# KiCad board A64-OlinuXino_Rev_D.kicad_pcb (continued)
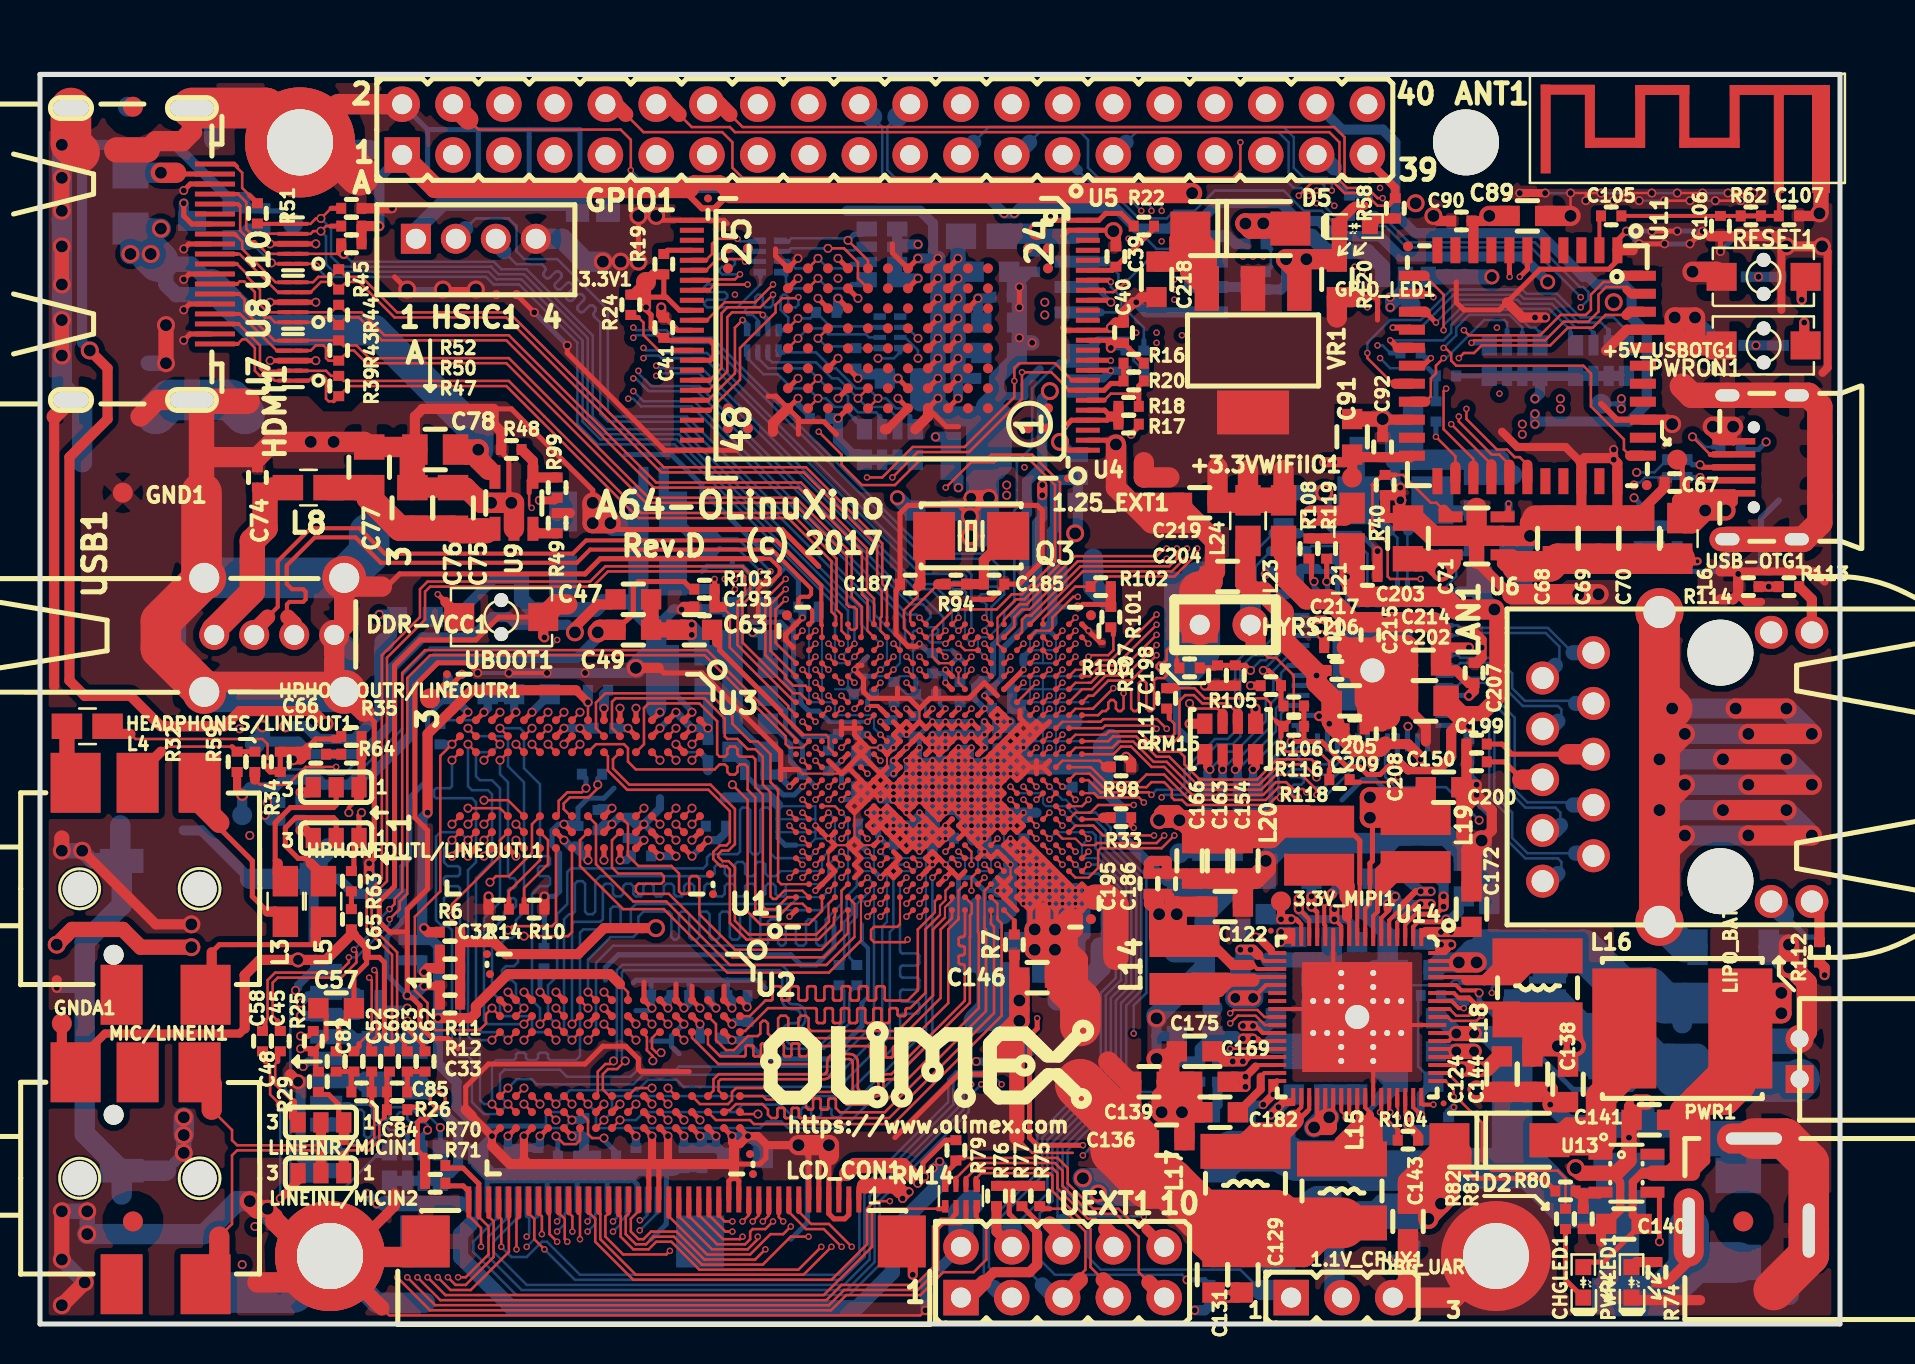
[diagram p0: board, top side]
## Routing (per net, layer and track width the routed paths; a pad name or vN(x,y) marks a point on that pad's centre or on a via; arc(x,y) is an arc through that point) (continued)
/USB&HDMI,WiFi&BT,Ethernet,LCD/BT-PCM-DIN: length 31.3
  Top w0.127: v5(70.94,45.39) 70.94,45.14 72.59,43.48 72.96,43.48 73.47,42.98 ; v5(55.83,34.98) 53.8,32.94 53.03,32.94 52.49,32.4 U1.AC19
  Top w0.508: 73.47,42.86 73.47,42.98 U11.27
  In3.Cu w0.127: v5(55.83,34.98) 56.21,35.36 56.21,35.86 56.97,36.63 58.88,36.63 60.02,37.77 60.02,39.29 60.02,40.18 66.12,46.28 69.04,46.28 69.93,45.39 v5(70.94,45.39)
/USB&HDMI,WiFi&BT,Ethernet,LCD/BT-PCM-DOUT: length 35.2
  Top w0.127: 71.67,42.93 71.67,43.26 70.18,44.76 70.18,46.66 v5(70.31,46.79) ; v5(56.34,38.28) 56.21,38.15 51.89,38.15 49.48,35.74 49.1,35.74 48.72,35.36 48.72,34.87 U1.U22
  Top w0.508: U11.25 71.67,42.93
  In3.Cu w0.127: v5(56.34,38.28) 56.97,37.64 58.37,37.64 59,38.28 59,40.69 65.61,47.3 69.8,47.3 v5(70.31,46.79)
/USB&HDMI,WiFi&BT,Ethernet,LCD/BT-PCM-SYNC: length 33
  Top w0.107: 51.78,32.72 52.43,32.72
  Top w0.127: 52.43,32.72 52.91,33.21 53.55,33.21 v5(55.83,35.48) ; 51.78,32.72 U1.AB19 ; 74.37,42.98 73.99,43.36 73.74,43.36 73.35,43.74 72.85,43.74 71.32,45.26 v5(71.32,45.77)
  Top w0.508: U11.28 74.37,42.98
  In3.Cu w0.127: v5(55.83,35.48) 55.83,35.86 56.84,36.88 58.75,36.88 59.77,37.9 59.77,39.89 59.77,40.35 65.95,46.53 69.16,46.53 69.93,45.77 v5(71.32,45.77)
/USB&HDMI,WiFi&BT,Ethernet,LCD/BT-RST-N: length 65.2
  Top w0.127: 79.51,43.43 79.2,43.74 79.2,44.25 77.55,45.9 77.55,47.55 77.16,47.93 70.81,47.93 70.56,48.18 70.56,48.53 70.28,48.81 v5(70.18,48.82) ; U1.A20 36.78,34.07 36.78,35.74 v5(37.29,36.25)
  Top w0.508: U11.34 79.51,43.43
  In2.Cu w0.127: 49.61,46.8 49.61,46.8 ; 49.61,46.8 50.23,47.42 50.88,47.42 51.51,46.79 54.56,46.79 55.45,47.68 68.15,47.68 69.29,48.82 v5(70.18,48.82) ; 49.61,46.8 42.6,46.8 42.4,46.6 42.4,46.1 39.2,42.9 39.2,38.16 v5(37.29,36.25)
  Bottom w0.127: v5(70.18,48.82) 70.81,49.45 70.81,49.84 71.45,50.47 73.48,50.47 74.12,49.84 74.12,49.58
  Bottom w0.254: RM12.2.2 74.12,49.58
/USB&HDMI,WiFi&BT,Ethernet,LCD/BT-UART-CTS: length 43.8
  Top w0.127: v5(55.83,33.45) 54.56,32.18 53.42,32.18 52.66,31.42 52.43,31.42 U1.AC17 ; 79.2,52.43 78.89,52.12 78.18,52.12 77.55,51.49 77.55,50.72 77.29,50.47 76.02,50.47 75.01,49.45 71.45,49.45 v5(71.2,49.71)
  Top w0.508: U11.44 79.2,52.43 79.27,52.43
  In3.Cu w0.127: v5(55.83,33.45) 55.19,34.09 55.19,36.12 56.46,37.39 58.5,37.39 59.26,38.15 59.26,39.67 59.26,40.56 65.74,47.04 69.42,47.04 70.05,46.41 70.69,46.41 71.32,47.04 71.32,48.56 71.2,48.69 v5(71.2,49.71)
/USB&HDMI,WiFi&BT,Ethernet,LCD/BT-UART-RX: length 43.8
  Top w0.127: 79.32,51.74 79.2,51.87 78.31,51.87 77.93,51.49 77.93,50.64 77.42,50.13 76.19,50.13 75.26,49.2 71.7,49.2 v5(71.58,49.07) ; U1.AB17 52.1,31.75 52.6,31.75 53.29,32.44 54.31,32.44 v5(55.83,33.96)
  Top w0.406: 79.32,51.74 79.53,51.53 U11.43
  In3.Cu w0.127: v5(55.83,33.96) 55.45,34.34 55.45,35.99 56.59,37.13 58.62,37.13 59.51,38.02 59.51,39.78 59.51,40.46 65.84,46.79 69.29,46.79 69.93,46.15 70.81,46.15 71.58,46.91 v5(71.58,49.07)
  Bottom w0.254: v5(71.58,49.07) 72.34,49.07 RM12.4.2
/USB&HDMI,WiFi&BT,Ethernet,LCD/BT-UART-TX: length 40.7
  Top w0.127: U1.U23 48.2,35.22 48.97,35.99 49.33,35.99 51.74,38.41 55.83,38.41 56.21,38.79 v5(56.34,38.79) ; v5(70.94,48.31) 71.2,48.56 71.7,48.56 72.09,48.95 75.51,48.95 76.4,49.84 77.64,49.84 78.28,50.47 79.32,50.47
  Top w0.508: 79.32,50.47 79.48,50.63 U11.42
  In3.Cu w0.127: v5(56.34,38.79) 57.23,37.9 58.24,37.9 ; 58.24,37.9 58.75,38.41 58.75,40.82 65.48,47.55 70.18,47.55 v5(70.94,48.31) ; 58.24,37.9 58.24,37.9
/USB&HDMI,WiFi&BT,Ethernet,LCD/BT-WAKE-AP: length 76
  Top w0.127: U1.D19 v5(40.07,32.08) ; 73.48,52.43 v5(73.48,52.38)
  Top w0.254: U11.7 73.47,52.74 v5(73.48,52.38)
  In2.Cu w0.127: v5(56.72,51.74) 57.1,51.36 65.61,51.36 65.74,51.49 66.12,51.49 66.75,52.12 66.75,52.88 66.88,53.01 72.85,53.01 v5(73.48,52.38)
  In3.Cu w0.107: 40.4,32.4 40.93,32.4 41.05,32.53 41.05,34.34
  In3.Cu w0.127: v5(40.07,32.08) 40.4,32.4 ; 41.05,34.34 40.72,34.67 40.72,39.55 40.34,39.93 40.34,41.07 39.32,42.09 37.03,42.09 34.87,44.25 34.87,49.2 34.11,49.96 34.11,55.17 34.49,55.55 45.03,55.55 45.54,56.06 47.57,56.06 47.83,56.31 56.46,56.31 56.72,56.06 56.72,53.77 56.34,53.39 56.34,52.67 56.34,52.67 56.34,52.12 v5(56.72,51.74)
/USB&HDMI,WiFi&BT,Ethernet,LCD/EPHY-RST#: length 8.7
  Top w0.127: 56.46,30.28 56.72,30.02 56.72,29.52 56.59,29.39 55.96,29.39 v5(55.83,29.26) ; U1.Y14 v5(50.47,29.47)
  Top w0.254: 56.46,30.28 56.46,30.66 56.34,30.78
  In2.Cu w0.127: v5(55.83,29.26) 55.7,29.26 55.07,29.9 50.9,29.9 v5(50.47,29.47)
/USB&HDMI,WiFi&BT,Ethernet,LCD/GCLKIN/LCD_VSYNC: length 65.3
  Top w0.127: 26.44,5.56 26.62,5.39 v5(26.62,4.62) ; v5(55.57,26.47) 55.45,26.59 53.03,26.59 52.43,27.2 U1.AC11
  Top w0.254: LCD_CON1.30 26.44,5.56
  In3.Cu w0.127: v5(55.57,26.47) 55.57,25.83 55.32,25.58 55.32,24.31 54.94,23.93 54.94,18.21 47.19,10.47 43.64,10.47 39.95,6.78 34.49,6.78 33.35,5.64 27.25,5.64 26.62,5 v5(26.62,4.62)
  Bottom w0.127: 61.54,38.66 60.78,37.9 60.78,36.63 61.67,35.74 61.67,34.34 61.04,33.71 60.4,33.71 59.77,33.07 59.77,29.64 59.38,29.26 58.75,29.26 57.23,27.74 57.23,26.97 56.97,26.72 55.83,26.72 v5(55.57,26.47)
  Bottom w0.508: 61.54,38.66 R109.1
/USB&HDMI,WiFi&BT,Ethernet,LCD/GMDC/LCD-PWM: length 81
  Top w0.127: 23.44,5.39 23.44,5.39 23.44,3.61 21.54,1.7 20.52,1.7 v5(19.89,2.34) ; U1.Y13 v5(50.47,28.83)
  Top w0.254: 23.44,5.39 LCD_CON1.36
  In2.Cu w0.127: v5(19.89,2.34) 20.27,1.96 29.29,1.96 33.6,6.27 40.97,6.27 44.27,9.58 49.22,9.58 51,11.35 51.64,11.35 53.54,13.26 53.54,15.55 54.81,16.81 54.81,23.93 55.32,24.44 55.32,25.58 v5(56.08,26.34) 56.08,26.59 55.83,26.85 53.92,26.85 53.16,27.61 52.27,27.61 51.89,27.99 50.88,27.99 50.47,28.39 v5(50.47,28.83)
  Bottom w0.127: v5(56.08,26.34) 56.21,26.47 57.23,26.47 57.48,26.72 57.48,27.61 58.88,29.01 59.64,29.01 60.02,29.39 60.02,32.82 60.66,33.45 61.16,33.45 61.93,34.21 61.93,34.98 62.39,35.44
  Bottom w0.254: 62.39,35.44 U15.36
/USB&HDMI,WiFi&BT,Ethernet,LCD/GMDIO/LCD_PWR: length 71
  Top w0.107: U1.AC10 52.7,26.55
  Top w0.127: 23.94,5.37 23.83,5.26 v5(23.83,3.73) ; v5(55.19,26.09) 54.94,26.34 52.91,26.34 52.7,26.55
  Top w0.254: R108.1 63.58,38.15 63.58,37.26 v3(63.7,37.13) ; LCD_CON1.35 23.94,5.37
  In3.Cu w0.127: v5(23.83,3.73) 23.83,4.5 25.22,5.89 33.22,5.89 34.37,7.04 39.83,7.04 43.51,10.72 44.27,10.72 45.92,12.37 48.74,12.37 54.69,18.32 54.69,24.18 55.07,24.56 55.07,25.7 55.19,25.83 v5(55.19,26.09) 55.19,26.72 55.32,26.85 57.35,26.85 57.73,27.23 61.04,27.23 61.8,27.99 61.8,29.64 62.64,30.48 62.64,33.07 62.81,33.25 62.81,34.25 62.81,34.98 63.7,35.86 v3(63.7,37.13)
  Bottom w0.254: v3(63.7,37.13) 63.7,36.88 63.87,36.71 U15.37
/USB&HDMI,WiFi&BT,Ethernet,LCD/GRXCK/LCD_D18: length 69.9
  Top w0.127: v5(40.59,3.86) 39.45,5 38.56,5 37.94,5.62 ; U1.AC16 52.91,30.45 53.12,30.66 53.29,30.66 53.42,30.78 53.42,31.08 53.54,31.21 53.67,31.21 53.8,31.08 53.8,30.78 53.92,30.66 54.05,30.66 54.18,30.78 v5(54.18,31.55) 54.18,31.67 54.31,31.8 54.43,31.8 54.56,31.67 54.56,30.78 54.69,30.66 54.81,30.66 54.94,30.78 54.94,32.06 55.07,32.18 55.19,32.18 55.32,32.06 55.32,30.78 55.45,30.66 55.57,30.66 55.7,30.78 55.7,32.18 55.83,32.31 56.21,32.31 56.34,32.44 56.34,32.56 56.21,32.69 55.96,32.69 55.83,32.82 55.83,32.94 55.96,33.07 56.21,33.07 56.34,33.2 56.34,33.71 56.46,33.83 56.72,33.83 56.84,33.71 56.84,33.2
  Top w0.254: R100.1 56.84,32.94 56.84,33.2 ; LCD_CON1.7 37.94,5.62
  In2.Cu w0.127: v5(54.18,31.55) 56.21,31.55 56.84,32.18 57.73,32.18 57.99,32.44 58.5,32.44 58.75,32.18 58.75,31.42 58.88,31.29 60.91,31.29 61.34,30.86 61.34,27.41 59.89,25.96 59.89,23.55 59.26,22.91 59.26,19.36 59,19.1 59,17.96 58.12,17.07 58.12,9.96 55.96,7.8 55.57,7.8 53.54,5.77 45.16,5.77 43.26,3.86 v5(40.59,3.86)
/USB&HDMI,WiFi&BT,Ethernet,LCD/GRXCTL/LCD_D19: length 63.4
  Top w0.107: 51.78,30.78 52.43,30.78
  Top w0.127: v5(40.08,3.86) 39.19,4.75 38.3,4.75 37.44,5.61 ; v5(53.67,31.8) 52.65,30.78 52.65,30.78 52.43,30.78 ; U1.AB16 51.78,30.78
  Top w0.254: LCD_CON1.8 37.44,5.61
  Top w0.406: v3(60.53,31.93) R105.1
  In2.Cu w0.127: v5(53.67,31.8) 53.8,31.93 56.21,31.93 56.72,32.44 57.23,32.44 57.35,32.56 57.35,32.82 57.48,32.94 59.13,32.94 59.26,32.82 59.26,31.8 59.38,31.67 59.51,31.67 59.64,31.8 59.64,32.82 59.77,32.94 59.89,32.94 60.02,32.82 60.02,31.8 60.15,31.67 60.27,31.67 v3(60.53,31.93) 60.85,31.93 61.59,31.18 61.59,27.28 60.15,25.83 60.15,23.42 59.51,22.78 59.51,19.23 59.26,18.97 59.26,17.83 58.37,16.94 58.37,9.83 56.08,7.54 55.7,7.54 53.67,5.51 45.29,5.51 43.26,3.48 40.46,3.48 v5(40.08,3.86)
/USB&HDMI,WiFi&BT,Ethernet,LCD/GRXD0/LCD_D15: length 58.1
  Top w0.127: 31.44,5.39 33.35,3.48 35.51,3.48 36.53,4.5 37.16,4.5 v5(37.54,4.88) ; U1.Y16 v5(50.47,30.78)
  Top w0.254: 31.44,5.39 LCD_CON1.20
  Top w0.508: RM15.1.2 v3(57.48,30.02)
  In2.Cu w0.127: v5(50.47,30.78) 51.1,30.15 57.35,30.15 v3(57.48,30.02) 57.48,27.23 58.62,26.09 58.62,24.18 57.99,23.55 57.99,19.99 57.73,19.74 57.73,18.59 56.84,17.7 56.84,12.37 56.59,12.12 54.31,12.12 52.27,10.08 51.64,10.08 49.86,8.31 45.8,8.31 42.75,5.26 37.92,5.26 v5(37.54,4.88)
/USB&HDMI,WiFi&BT,Ethernet,LCD/GRXD1/LCD_D14: length 62.2
  Top w0.127: 59.13,30.53 58.88,30.78 57.73,30.78 v3(57.48,31.04) ; U1.W16 v5(49.82,30.78) ; 31.94,5.4 33.6,3.73 35.38,3.73 35.89,4.24 v5(35.89,4.37)
  Top w0.254: 31.94,5.4 LCD_CON1.19
  Top w0.508: RM15.2.2 59.13,30.53
  In2.Cu w0.107: 50.15,31.1 51.45,31.1
  In2.Cu w0.127: v5(49.82,30.78) 50.15,31.1 ; 51.45,31.1 51.89,30.66 56.46,30.66 56.84,31.04 v3(57.48,31.04) 58.24,30.28 58.24,29.64 57.99,29.39 57.99,27.48 59.13,26.34 59.13,23.93 58.5,23.29 58.5,19.74 58.24,19.48 58.24,18.34 57.35,17.45 57.35,11.99 56.97,11.61 54.56,11.61 52.53,9.58 51.89,9.58 50.11,7.8 46.05,7.8 43,4.75 38.3,4.75 37.76,4.21 36.91,4.21 36.74,4.37 v5(35.89,4.37)
/USB&HDMI,WiFi&BT,Ethernet,LCD/GRXD2/LCD_D13: length 58.1
  Top w0.127: 32.44,5.41 33.86,3.99 35.25,3.99 35.51,4.24 35.51,4.62 35.64,4.75 36.27,4.75 v5(36.65,5.13) ; U1.AA13 v5(51.12,28.83) ; 59.89,30.53 59.38,31.04 58.12,31.04 57.7,31.45 57.26,31.45 56.97,31.17 56.97,29.39 56.59,29.01 v5(56.34,29.01)
  Top w0.254: LCD_CON1.18 32.44,5.41
  Top w0.508: RM15.3.2 59.89,30.53
  In2.Cu w0.127: v5(51.12,28.83) 51.94,29.64 54.94,29.64 55.7,28.88 56.21,28.88 v5(56.34,29.01) 56.72,28.63 56.72,26.85 57.86,25.7 57.86,24.56 55.32,22.02 55.32,16.56 54.05,15.29 54.05,13 51.89,10.85 51.26,10.85 49.48,9.07 44.53,9.07 41.22,5.77 37.29,5.77 v5(36.65,5.13)
/USB&HDMI,WiFi&BT,Ethernet,LCD/GRXD3/LCD_D12: length 65.5
  Top w0.127: U1.V17 v5(49.82,32.08) ; 32.94,5.45 34.15,4.24 35,4.24 v5(35.13,4.37)
  Top w0.254: LCD_CON1.17 32.94,5.45
  Top w0.508: RM15.4.2 v3(60.78,30.78)
  In2.Cu w0.107: 50.15,31.75 51.78,31.75
  In2.Cu w0.127: v5(49.82,32.08) 50.15,31.75 ; v5(35.13,4.37) 35.51,3.99 36.02,3.99 36.14,4.11 36.53,4.11 36.78,3.86 38.43,3.86 38.81,4.24 43.26,4.24 46.3,7.29 50.37,7.29 51.13,8.05 55.83,8.05 57.86,10.08 57.86,17.2 58.75,18.08 58.75,19.23 59,19.48 59,23.04 59.64,23.67 59.64,26.09 61.09,27.53 61.09,30.48 v3(60.78,30.78) 58.75,30.78 57.73,31.8 56.85,31.8 56.21,31.17 52.35,31.17 51.76,31.75
/USB&HDMI,WiFi&BT,Ethernet,LCD/GTXCK/LCD_DE: length 69.6
  Top w0.127: 25.44,5.55 25.48,5.51 25.48,4.5 v5(25.86,4.11) ; U1.AB12 52.54,27.85 53.29,27.1 54.94,27.1 55.32,27.48 56.21,27.48 57.48,26.21 61.29,26.21 61.93,26.85 62.18,26.85 62.69,26.34 v5(62.94,26.34)
  Top w0.254: LCD_CON1.32 25.44,5.55
  In3.Cu w0.127: v5(62.94,26.34) 62.94,23.17 61.67,21.89 59.7,21.89 47.51,9.7 44.02,9.7 40.33,6.02 34.87,6.02 33.73,4.88 31.95,4.88 30.68,3.61 26.37,3.61 v5(25.86,4.11)
  Bottom w0.127: 63.87,28.67 63.7,28.5 63.07,28.5 62.94,28.37 62.94,28.25 63.07,28.12 63.19,28.12 63.32,27.99 63.32,27.86 63.19,27.74 62.56,27.74 62.43,27.61 62.43,27.48 62.56,27.36 63.07,27.36 63.19,27.23 63.19,27.1 63.07,26.97 62.69,26.97 62.56,26.85 62.56,26.59 62.78,26.38 62.9,26.38 v5(62.94,26.34)
  Bottom w0.254: 63.87,28.67 U15.24
/USB&HDMI,WiFi&BT,Ethernet,LCD/GTXCTL/LCD_HSYNC: length 67.1
  Top w0.107: 51.78,27.53 52.4,27.53
  Top w0.127: 26.94,5.57 27,5.51 v5(27,4.24) ; 51.78,27.53 U1.AB11 ; v3(62.05,26.34) 61.8,26.34 61.42,25.96 57.35,25.96 57.1,26.21 56.72,26.21 56.59,26.34 56.59,26.72 56.21,27.1 55.57,27.1 55.32,26.85 53.16,26.85 52.49,27.53 52.4,27.53
  Top w0.254: LCD_CON1.29 26.94,5.57
  In3.Cu w0.127: v3(62.05,26.34) 61.92,26.21 58.88,26.21 58.62,25.96 58.62,24.31 57.86,23.55 55.45,23.55 55.19,23.29 55.19,18.1 47.3,10.21 43.76,10.21 40.08,6.53 34.62,6.53 33.48,5.39 31.44,5.39 30.3,4.24 v5(27,4.24)
  Bottom w0.127: 62.94,29.64 62.94,29.39 63.07,29.26 63.32,29.26 63.45,29.13 63.45,29.01 63.32,28.88 62.94,28.88 61.93,27.86 61.93,26.59 62.05,26.47 v3(62.05,26.34)
  Bottom w0.254: 62.94,29.64 62.94,29.86 U15.25
/USB&HDMI,WiFi&BT,Ethernet,LCD/GTXD0/LCD_CLK: length 70.3
  Top w0.107: 51.78,28.83 52.96,28.83
  Top w0.127: 25.94,5.56 26.24,5.26 26.24,4.24 v5(26.36,4.11) ; U1.AB13 51.78,28.83 ; 52.96,28.83 53.62,28.83 53.92,29.13 54.66,29.13 55.68,28.12 56.34,28.12 57.73,26.72 61.06,26.72 61.82,27.48 63.07,27.48 63.83,26.72 v5(63.83,26.47)
  Top w0.254: 25.94,5.56 LCD_CON1.31
  In3.Cu w0.127: v5(26.36,4.11) 26.62,3.86 30.43,3.86 31.7,5.13 33.61,5.13 34.75,6.27 40.21,6.27 43.89,9.96 47.41,9.96 59.6,22.15 61.54,22.15 62.56,23.17 62.56,26.59 62.91,26.95 63.58,26.95 63.83,26.7 v5(63.83,26.47)
  Bottom w0.127: v5(63.83,26.47) 64.34,26.47 66.37,28.5
  Bottom w0.254: 66.37,28.5 U15.19
/USB&HDMI,WiFi&BT,Ethernet,LCD/GTXD1/LCD_D23: length 57.1
  Top w0.127: 35.44,5.57 35.44,5.44 v5(35.13,5.13) ; U1.AC13 53.67,28.5 54.05,28.88 54.56,28.88 55.58,27.86 56.21,27.86 57.61,26.47 61.16,26.47 61.8,27.1 62.31,27.1 62.65,26.76 63.16,26.76 v5(63.32,26.59)
  Top w0.254: LCD_CON1.12 35.44,5.57
  In3.Cu w0.127: v5(35.13,5.13) 35.76,5.77 40.46,5.77 44.14,9.45 47.62,9.45 59.81,21.64 61.8,21.64 63.32,23.17 v5(63.32,26.59)
  Bottom w0.127: 65.87,28.51 64.21,26.85 63.58,26.85 v5(63.32,26.59)
  Bottom w0.254: U15.20 65.87,28.51
/USB&HDMI,WiFi&BT,Ethernet,LCD/GTXD2/LCD_D22: length 57.4
  Top w0.127: 35.94,5.56 35.94,5.44 v5(35.64,5.13) ; U1.AC14 53.42,29.15 53.65,29.39 54.81,29.39 55.83,28.37 56.46,28.37 57.86,26.98 60.95,26.98 61.97,27.99 63.19,27.99 v3(63.83,27.36)
  Top w0.254: 35.94,5.56 LCD_CON1.11
  In3.Cu w0.127: v3(63.83,27.36) 64.21,26.97 64.21,23.67 61.93,21.39 59.91,21.39 47.72,9.19 44.27,9.19 40.59,5.51 36.02,5.51 v5(35.64,5.13)
  Bottom w0.127: 65.37,28.52 64.34,27.48 63.96,27.48 v3(63.83,27.36)
  Bottom w0.254: U15.21 65.37,28.52
/USB&HDMI,WiFi&BT,Ethernet,LCD/GTXD3/LCD_D21: length 58.6
  Top w0.107: 51.78,29.47 53.07,29.47
  Top w0.127: 36.44,5.56 36.44,5.43 v5(36.14,5.13) ; v3(63.83,27.99) 63.58,28.25 61.86,28.25 60.85,27.23 57.99,27.23 57.23,27.99 57.23,28.37 56.97,28.63 55.96,28.63 54.94,29.64 53.46,29.64 53.29,29.47 53.07,29.47 ; 51.78,29.47 U1.AB14
  Top w0.254: LCD_CON1.10 36.44,5.56
  In3.Cu w0.127: v3(63.83,27.99) 64.47,27.36 64.47,23.55 62.05,21.13 60.02,21.13 47.83,8.94 44.4,8.94 40.72,5.26 38.43,5.26 37.67,4.5 36.78,4.5 v5(36.14,5.13)
  Bottom w0.127: v3(63.83,27.99) 64.34,27.99 64.87,28.53
  Bottom w0.254: 64.87,28.53 U15.22
/USB&HDMI,WiFi&BT,Ethernet,LCD/HCEC: length 46
  Top w0.127: v3(13.79,52.88) 13.65,53.03 U10.1 ; v3(11.57,53.07) 11.62,53.03 U10.10 ; U1.F21 v5(40.72,33.38)
  Top w0.203: U10.1 U10.10
  Bottom w0.107: 39.75,34.35 39.75,33.17 39.88,33.05 40.4,33.05
  Bottom w0.127: v3(11.57,53.07) 10.74,53.9 ; v3(13.79,52.88) 14.3,52.37 22.3,52.37 22.68,51.99 23.95,51.99 26.87,49.07 26.87,45.01 27.89,43.99 31.73,43.99 39.75,35.97 39.75,34.35 ; v5(40.72,33.38) 40.4,33.05
  Bottom w0.254: 10.74,53.9 10.14,53.9 FET1.2
  Bottom w0.508: R46.2 10.39,54.79 FET1.2
/USB&HDMI,WiFi&BT,Ethernet,LCD/HHPD: length 44.7
  Top w0.127: 14.55,55.8 v3(14.05,55.3) 13.79,55.3 13.52,55.03 U10.5 ; U1.E21 v5(40.72,34.03)
  Top w0.203: R51.1 10.89,55.03 U10.6 U10.5
  Top w0.254: R52.1 14.55,55.8
  Bottom w0.127: 22.56,52.88 22.55,52.88 ; 22.56,52.88 22.94,52.5 24.21,52.5 27.38,49.33 27.38,45.26 28.14,44.5 31.95,44.5 40.72,35.73 v5(40.72,34.03) ; 22.56,52.88 15.06,52.88 15.06,52.88 14.55,53.39 14.55,54.79 v3(14.05,55.3)
/USB&HDMI,WiFi&BT,Ethernet,LCD/HSCL: length 47.2
  Top w0.127: v3(15.19,53.52) 15.18,53.53 U10.2 ; U10.9 11.37,53.53 10.74,54.15 10.54,54.15 10.01,54.69 10.01,55.91 9.98,55.93 ; U1.G21 v5(42.03,34.03)
  Top w0.203: 9.98,55.93 9.89,56.02 8.55,56.02 ; U10.2 U10.9
  Top w0.508: R47.2 15.06,53.65 v3(15.19,53.52)
  Bottom w0.127: v3(15.19,53.52) 15.57,53.14 22.68,53.14 23.06,52.76 24.33,52.76 27.64,49.45 27.64,45.39 28.27,44.76 32.08,44.76 41.05,35.78 41.05,35 v5(42.03,34.03)
/USB&HDMI,WiFi&BT,Ethernet,LCD/HSDA: length 48.6
  Top w0.127: 9.9,56.52 10.31,56.11 10.31,54.76 10.54,54.53 12.2,54.53 U10.7 ; 14.55,54.91 14.3,54.91 v3(14.05,54.66) 13.67,54.66 13.53,54.53 U10.4 ; U1.E20 v5(40.07,33.38)
  Top w0.203: U10.4 U10.7 ; 8.55,56.52 9.9,56.52
  Top w0.254: R50.2 14.55,54.91
  Bottom w0.107: 40.4,33.7 40.4,34.35
  Bottom w0.127: 40.4,35.69 40.4,35.68 ; 40.4,35.69 31.84,44.25 28.02,44.25 27.13,45.14 27.13,49.2 24.08,52.25 22.81,52.25 22.43,52.63 14.68,52.63 14.3,53.01 14.3,54.41 v3(14.05,54.66) ; 40.4,35.69 40.4,34.35 ; v5(40.07,33.38) 40.4,33.7
/USB&HDMI,WiFi&BT,Ethernet,LCD/HTX0N: length 43.5
  Top w0.127: 9.85,53.02 10.36,52.5 10.36,52.38 11,51.74 11,50.98 11.38,50.6 12.2,50.6 U8.9 ; U8.2 14.56,50.6 R44.1 15.32,50.6 16.08,50.6 17.22,49.45 23.44,49.45 30.81,42.09 38.05,42.09 41.35,38.79 41.35,36.63 41.7,36.28 U1.G23
  Top w0.203: 8.55,53.02 9.85,53.02 ; U8.2 U8.9
/USB&HDMI,WiFi&BT,Ethernet,LCD/HTX0P: length 43.5
  Top w0.107: 41.38,34.67 41.38,35.33
  Top w0.127: 41.38,35.33 41.38,36.22 41.1,36.5 41.1,38.66 37.92,41.83 30.68,41.83 23.32,49.2 17.09,49.2 15.95,50.34 15.32,50.34 R44.2 14.55,50.34 13.79,50.34 13.55,50.1 U8.1 ; U1.G22 41.38,34.67 ; U8.10 11.74,50.1 11.51,50.34 11.25,50.34 10.74,50.85 10.74,51.61 10.21,52.15 9.98,52.15 9.86,52.02
  Top w0.203: HDMI1.7 9.86,52.02 ; U8.1 U8.10
/USB&HDMI,WiFi&BT,Ethernet,LCD/HTX1N: length 42.2
  Top w0.127: R43.2 13.1,49.2 U7.5 ; 9.95,51.52 10.24,51.23 10.24,50.67 11.73,49.18 U7.6 ; U1.F22 41.1,34.4 41.1,35.86 40.59,36.37 40.59,38.53 37.79,41.33 30.43,41.33 23.44,48.31 16.46,48.31 15.82,48.95 15.19,48.95
  Top w0.203: 15.19,48.95 R43.2 ; U7.5 U7.6 ; 9.95,51.52 8.55,51.52
/USB&HDMI,WiFi&BT,Ethernet,LCD/HTX1P: length 42.1
  Top w0.127: 40.45,34.96 40.45,34.84 40.56,34.72 40.74,34.72 40.84,34.82 40.84,35.74 40.72,35.86 40.46,35.86 40.34,35.99 40.34,38.41 37.67,41.07 30.3,41.07 23.32,48.06 16.33,48.06 15.7,48.69 15.44,48.69 R43.1 14.43,48.18 14.3,48.31 14.3,48.82 14.17,48.95 13.79,48.95 13.53,48.68 U7.4 ; 11.84,48.68 10.01,50.52 9.93,50.52 ; U1.E23 40.44,34.96
  Top w0.203: 11.84,48.68 U7.7 U7.4 ; HDMI1.4 9.93,50.52
/USB&HDMI,WiFi&BT,Ethernet,LCD/HTX2N: length 41
  Top w0.107: 40.07,34.67 40.07,35.33
  Top w0.127: U7.9 12.2,47.68 11.12,47.68 11,47.8 11,48.95 9.93,50.02 ; U7.2 13.09,47.68 14.3,47.68 14.55,47.42 R39.1 15.19,47.17 23.44,47.17 30.05,40.56 37.54,40.56 39.83,38.28 39.83,35.74 40.07,35.49 40.07,35.33 ; U1.E22 40.07,34.67
  Top w0.203: U7.2 U7.9 ; 8.55,50.02 9.93,50.02
/USB&HDMI,WiFi&BT,Ethernet,LCD/HTX2P: length 40.9
  Top w0.127: 13.43,47.18 13.67,47.42 14.17,47.42 14.3,47.3 14.3,46.28 14.43,46.15 14.68,46.15 ; U1.D23 39.8,35.05 39.8,35.4 39.57,35.63 39.57,38.15 37.41,40.31 29.92,40.31 23.32,46.91 15.44,46.91 R39.2 ; 9.88,49.02 10.12,49.25 10.31,49.25 10.74,48.82 10.74,47.68 11,47.42 11.51,47.42 11.74,47.18 U7.10
  Top w0.203: 13.43,47.18 U7.1 U7.10 ; HDMI1.1 9.88,49.02 ; 14.68,46.15 R39.2
/USB&HDMI,WiFi&BT,Ethernet,LCD/HTXCN: length 44.9
  Top w0.127: 42.35,35.36 42.35,35.33 ; 42.35,35.36 U1.H23 ; 42.35,35.36 42.35,36.77 42.11,37.01 42.11,39.04 38.3,42.85 31.19,42.85 23.44,50.6 17.86,50.6 16.08,52.38 15.32,52.38 R45.2 14.55,52.38 13.92,52.38 13.65,52.1 U8.5 ; U8.6 11.78,52.1 10.11,53.77 10.11,54.15 9.86,54.41
  Top w0.203: 8.55,54.52 9.74,54.52 9.86,54.41 ; U8.5 U8.6
/USB&HDMI,WiFi&BT,Ethernet,LCD/HTXCP: length 44.9
  Top w0.107: 42.03,34.67 42.03,35.33
  Top w0.127: 13.53,51.6 14.05,52.12 14.55,52.12 R45.1 15.32,52.12 15.95,52.12 17.73,50.34 23.32,50.34 31.06,42.6 38.18,42.6 41.86,38.91 41.86,36.88 42.09,36.65 42.09,35.39 42.03,35.33 ; U8.7 11.89,51.6 9.98,53.52 9.86,53.52 ; U1.H22 42.03,34.67
  Top w0.203: 13.53,51.6 U8.4 U8.7 ; 8.55,53.52 9.86,53.52
/USB&HDMI,WiFi&BT,Ethernet,LCD/LCD_D2: length 76.7
  Top w0.127: v5(51.12,33.38) U1.AA20 ; v5(36.27,3.73) 35.76,3.23 33.22,3.23 31.83,4.62 30.56,4.62 30.18,4.24 29.92,4.24 29.54,4.62 29.54,5.26 29.94,5.66
  Top w0.254: 29.94,5.66 LCD_CON1.23
  In2.Cu w0.107: 51.45,33.7 52.75,33.7
  In2.Cu w0.127: v5(36.27,3.73) 36.43,3.57 38.72,3.57 39.57,2.72 42.62,2.72 43.38,1.96 43.89,1.96 44.65,2.72 54.43,2.72 54.81,3.1 54.81,5.51 56.08,6.78 56.44,6.78 59.13,9.47 59.13,16.6 60.48,17.96 60.91,17.96 61.54,18.59 61.54,20.5 63.07,22.02 63.07,25.58 62.56,26.09 62.56,28.5 63.07,29.01 63.07,29.52 62.43,30.15 62.43,32.8 61.52,33.71 56.85,33.71 55.83,32.69 53.76,32.69 52.75,33.7 ; v5(51.12,33.38) 51.45,33.7
/USB&HDMI,WiFi&BT,Ethernet,LCD/LCD_D3: length 64
  Top w0.127: v5(51.12,31.42) U1.AA17 ; v5(38.43,4.37) 37.54,4.37 36.14,2.97 33.1,2.97 31.7,4.37 30.68,4.37 30.3,3.99 29.79,3.99 29.29,4.5 29.29,5.39 29.44,5.54 LCD_CON1.24
  In2.Cu w0.127: v5(38.43,4.37) 38.56,4.5 43.13,4.5 46.18,7.54 50.24,7.54 52.02,9.32 52.65,9.32 54.69,11.35 57.1,11.35 57.61,11.86 57.61,17.32 58.5,18.21 58.5,19.36 58.75,19.61 58.75,23.17 59.38,23.8 59.38,26.47 60.22,27.31 60.22,28.93 57.61,31.55 56.97,31.55 56.34,30.91 52.15,30.91 51.64,31.42 v5(51.12,31.42)
/USB&HDMI,WiFi&BT,Ethernet,LCD/LCD_D4: length 76.3
  Top w0.127: v5(49.82,32.72) U1.W19 ; 28.94,5.48 29.03,5.39 29.03,4.37 29.67,3.73 30.43,3.73 30.81,4.11 31.57,4.11 32.97,2.72 37.92,2.72 v5(39.06,3.86)
  Top w0.254: 28.94,5.48 LCD_CON1.25
  In2.Cu w0.107: 50.15,33.05 51.45,33.05
  In2.Cu w0.127: 61.39,33.45 62.1,32.74 62.1,27.03 61.54,26.47 61.54,26.21 61.93,25.83 62.43,25.83 62.81,25.45 62.81,22.15 61.29,20.62 61.29,18.72 60.78,18.21 60.38,18.21 58.88,16.71 58.88,9.58 56.34,7.04 55.96,7.04 53.92,5 45.54,5 43.51,2.97 39.95,2.97 v5(39.06,3.86) ; 61.39,33.45 61.4,33.45 ; 61.39,33.45 56.97,33.45 55.96,32.44 52.06,32.44 51.45,33.05 ; v5(49.82,32.72) 50.15,33.05
/USB&HDMI,WiFi&BT,Ethernet,LCD/LCD_D5: length 55.4
  Top w0.127: U1.AA14 v5(51.12,29.47) ; v5(31.5,3.66) 31.32,3.48 29.16,3.48 28.27,4.37 28.27,5.39 28.44,5.56
  Top w0.254: LCD_CON1.26 28.44,5.56
  In2.Cu w0.107: U1.AA14 50.8,28.5
  In2.Cu w0.127: 50.8,28.5 51.06,28.25 52.02,28.25 52.4,27.86 53.29,27.86 54.05,27.1 56.08,27.1 57.61,25.58 57.61,24.69 55.07,22.15 55.07,16.69 53.8,15.42 53.8,13.13 51.76,11.1 51.13,11.1 49.35,9.32 44.4,9.32 41.1,6.02 33.86,6.02 v5(31.5,3.66) ; v5(51.12,29.47) U1.AA14
/USB&HDMI,WiFi&BT,Ethernet,LCD/LCD_D6: length 75.2
  Top w0.127: 27.94,5.59 28.02,5.51 28.02,4.24 29.79,2.46 38.18,2.46 v5(39.57,3.86) ; v5(49.18,32.08) U1.V18
  Top w0.254: LCD_CON1.27 27.94,5.59
  In2.Cu w0.107: 49.5,32.4 51.45,32.4
  In2.Cu w0.127: v5(39.57,3.86) 40.21,3.23 43.38,3.23 45.42,5.26 53.8,5.26 55.83,7.29 56.21,7.29 58.62,9.7 58.62,16.82 59.51,17.7 59.51,18.85 59.77,19.1 59.77,22.66 60.4,23.29 60.4,25.73 61.85,27.17 61.85,32.64 61.29,33.2 57.1,33.2 56.08,32.18 51.67,32.18 51.45,32.4 ; v5(49.18,32.08) 49.5,32.4
/USB&HDMI,WiFi&BT,Ethernet,LCD/LCD_D7: length 62.2
  Top w0.107: 51.12,30.12 52.43,30.12
  Top w0.127: U1.AA15 51.12,30.12 ; v5(56.34,29.77) 55.85,30.25 53.16,30.25 53.03,30.12 52.43,30.12 ; 27.44,5.58 27.76,5.26 27.76,4.11 29.67,2.21 39.57,2.21 41.35,3.99 41.35,5.77 41.73,6.15 v5(42.49,6.15)
  Top w0.254: LCD_CON1.28 27.44,5.58
  In2.Cu w0.127: v5(56.34,29.77) 56.59,29.77 57.23,29.13 57.23,27.1 58.37,25.96 58.37,24.31 57.73,23.67 57.73,20.12 57.48,19.86 57.48,18.72 56.59,17.83 56.59,12.5 56.46,12.37 54.18,12.37 52.15,10.34 51.51,10.34 49.73,8.56 44.78,8.56 42.49,6.27 v5(42.49,6.15)
/USB&HDMI,WiFi&BT,Ethernet,LCD/LCD_D10: length 42
  Top w0.127: 33.94,5.43 34.24,5.13 v5(34.62,5.13) ; U1.Y11 v5(50.47,26.88)
  Top w0.254: 33.94,5.43 LCD_CON1.15
  In3.Cu w0.127: v5(34.62,5.13) 35,4.75 36.14,4.75 36.65,4.24 37.79,4.24 38.56,5 40.84,5 44.53,8.69 47.95,8.69 53.8,14.53 v5(54.69,14.53)
  Bottom w0.107: 52.43,25.58 51.94,25.58 51.29,26.22 51.12,26.22
  Bottom w0.127: v5(50.47,26.88) 51.12,26.22 ; v5(54.69,14.53) 54.69,15.93 55.32,16.56 55.32,22.4 53.54,24.18 53.54,24.82 52.78,25.58 52.43,25.58
/USB&HDMI,WiFi&BT,Ethernet,LCD/LCD_D11: length 55.1
  Top w0.127: v5(34.62,4.62) 34.27,4.62 33.44,5.45 ; U1.AA16 v5(51.12,30.78)
  Top w0.254: LCD_CON1.16 33.44,5.45
  In2.Cu w0.127: v5(34.62,4.62) 34.75,4.75 36.78,4.75 37.03,4.5 37.67,4.5 38.18,5 42.88,5 45.92,8.05 49.99,8.05 51.76,9.83 52.4,9.83 54.43,11.86 56.84,11.86 57.1,12.12 57.1,17.58 57.99,18.47 57.99,19.61 58.24,19.86 58.24,23.42 58.88,24.05 58.88,26.21 57.73,27.36 57.73,29.52 57.99,29.77 57.99,30.15 57.61,30.53 56.84,30.53 56.72,30.4 51.5,30.4 v5(51.12,30.78)
/USB&HDMI,WiFi&BT,Ethernet,LCD/LCD_D20: length 46.4
  Top w0.127: v5(37.16,5.13) 36.94,5.35 36.94,5.55 ; U1.AB15 53.13,29.8 53.26,29.93 55.67,29.93 v5(55.83,29.77)
  Top w0.254: LCD_CON1.9 36.94,5.55
  In2.Cu w0.127: v5(55.83,29.77) 56.21,29.39 56.59,29.39 56.97,29.01 56.97,26.97 58.12,25.83 58.12,24.44 57.48,23.8 57.48,20.22 56.99,19.74 55.7,19.74 55.57,19.61 55.57,16.43 54.31,15.16 54.31,12.88 52.02,10.59 51.38,10.59 49.61,8.81 44.65,8.81 41.35,5.51 37.54,5.51 v5(37.16,5.13)